# Altium PCB bms_mainboard-1_1.PcbDoc (part 3 of 7) (continued)
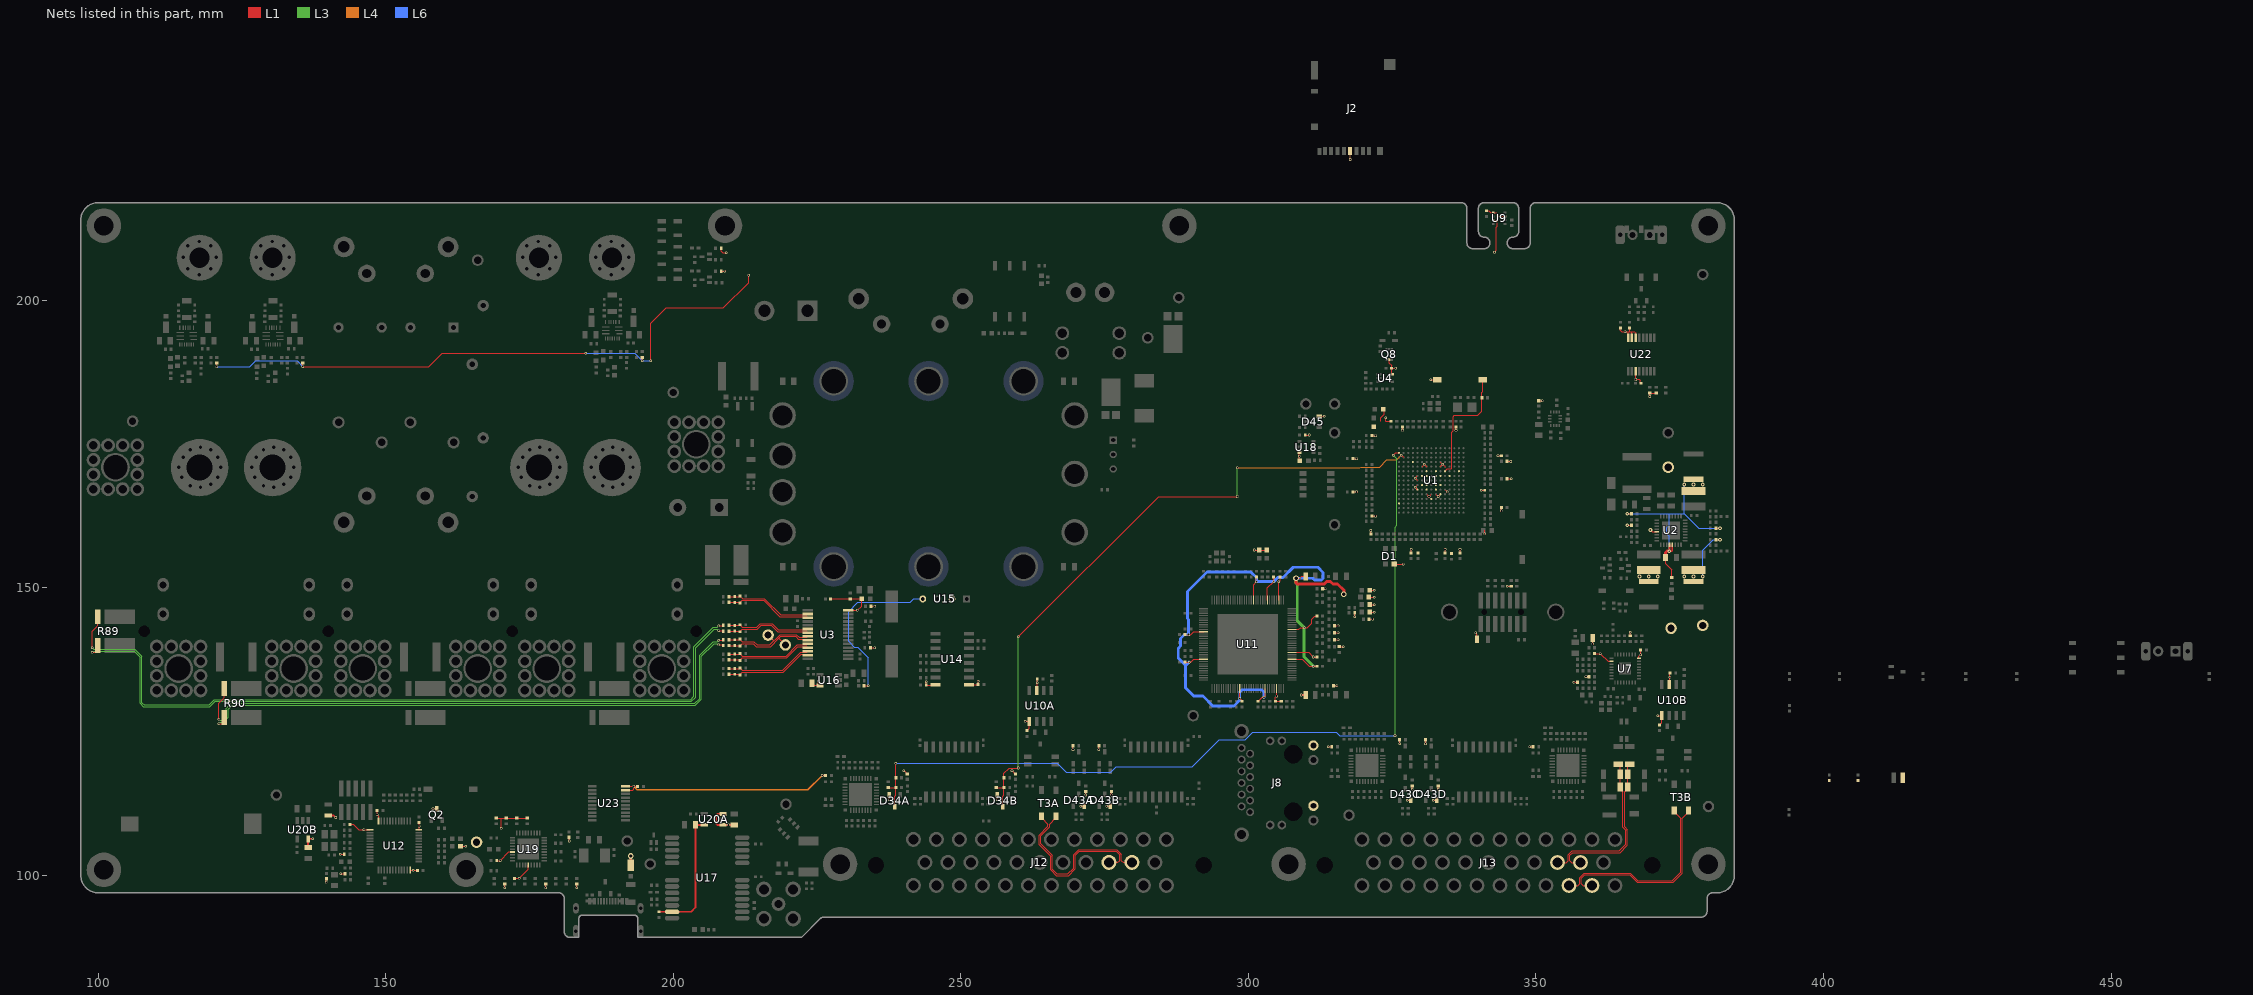
[diagram p7: the nets of this part, all layers, seen from the top]
## Part data (continued)
F2: library part FUSE_EATON_ELV10-15-2P, "15A 200 VDC Fuse Cartridge Through Hole", Manufacturer=Eaton, Supplier Part Number 1=283-ELV10-15-2P-ND, ComponentLink1Description=Datasheet, ComponentLink1URL=https://www.eaton.com/content/dam/eaton/products/electronic-components/resources/data-sheet/eaton-elv10-10x25mm-ev-fuse-data-sheet-elx1302-en.pdf, Manufacturer Part Number=ELV10-15-2P, Supplier 1=Digikey
F3 F5: library part PTC_BELFUSE_0ZRE0200FF1A, "Polymeric PTC Resettable Fuse 240V 2 A Ih Through Hole Radial, Disc", Current=2A, Manufacturer="Bel Fuse Inc.", Supplier Part Number 1=5923-0ZRE0200FF1A-ND, ComponentLink1Description=Datasheet, ComponentLink1URL=https://www.belfuse.com/media/datasheets/products/circuit-protection/ds-cp-0zre-series.pdf, Manufacturer Part Number=0ZRE0200FF1A, Supplier 1=Digikey, Supplier 2=LCSC
FB3 FB4 FB11 FB12A FB12B FB13 FB15 FB16: Current Rating (mA)=500, Manufacturer="Murata Electronics", Package=0402, ComponentLink1Description=Datasheet, ComponentLink1URL=https://wmsc.lcsc.com/wmsc/upload/file/pdf/v2/lcsc/2304140030_Murata-Electronics-BLM15AX601SN1D_C76886.pdf, DCR (mOhms)=340, Manufacturer Part Number=BLM15AX601SN1D, Supplier 2=LCSC, Supplier Part Number 2=C76886, Z @ 100 MHz=600
FB5 FB7 FB9 FB10: Current Rating (mA)=1000, Manufacturer=TAI-TECH, Package=0805, ComponentLink1Description=Datasheet, ComponentLink1URL=https://wmsc.lcsc.com/wmsc/upload/file/pdf/v2/lcsc/2009171138_TAI-TECH-HCB2012KF-102T10_C356985.pdf, DCR (mOhms)=200, Manufacturer Part Number=HCB2012KF-102T10, Supplier 2=LCSC, Supplier Part Number 2=C356985, Z @ 100 MHz=1000
H1: "3D-printed plastic frame used for security tape around STDC14 programming header", Manufacturer=SSCP, Manufacturer Part Number=N/A, Supplier 1=SSCP, Supplier Part Number 1=N/A
H3: library part VICOR_HEATSINK_30183, "Heat Sink, Aluminum", Manufacturer=Vicor, Supplier Part Number 1=1102-1595-ND, ComponentLink1Description=Drawing, ComponentLink1URL=https://asp.vicorpower.com/CADPDF/Q6T45D.PDF, Manufacturer Part Number=30183, Supplier 1=Digikey, Supplier 2=Mouser, Supplier Part Number 2=492-30183
H4 H5 H6 H14 H15 H16: library part STANDOFF_SMTSO-M3-2ET, "Standoff Round Swage F/F M3 X 0.5-THD Carbon Steel Electro-Tin ASTM B545", Manufacturer=PennEngineering, Supplier Part Number 1=153-SMTSO-M3-2ET, Manufacturer Part Number=SMTSO-M3-2ET, Supplier 1=Mouser, Supplier 2=LCSC, Supplier Part Number 2=C18212183
H7 H8 H9 H10 H11 H12 H13: library part PIN_SOCKET_15115-91-0710, "Pin Receptacle Connector 0.078\" ~ 0.096\" (1.98mm ~ 2.44mm) No Tail Solder", Manufacturer=Preci-Dip, Supplier Part Number 1=1212-15115-91-0710-ND, Manufacturer Part Number=15115-91-0710, Supplier 1=Digikey, Supplier 2=LCSC, Supplier Part Number 2=C20239898
HS1 HS2 HS3: library part HEATSINK_OHMITE_WA-T247-101E, "Heat Sink, 11ohm, Extruded, Clip, Longitudinal, Aluminum Alloy, Anodized", Manufacturer=Ohmite, Supplier Part Number 1=WA-T247-101E-ND, ComponentLink1Description=Datasheet, ComponentLink1URL=https://www.ohmite.com/assets/images/sink-w.pdf, Manufacturer Part Number=WA-T247-101E, Supplier 1=Digikey
J1: library part CONN_14POS_50MIL_ST_CORTEX_DEBUG_VCP, "Connector Header Surface Mount 14 position 0.050\" (1.27mm)", Manufacturer=Samtec, Supplier Part Number 1=FTSH-107-01-L-DV-K-A-ND, ComponentLink2Description=Datasheet, ComponentLink2URL=https://mm.digikey.com/Volume0/opasdata/d220001/medias/docus/6209/ftsh-1xx-xx-xxx-dv-xxx-xxx-x-xx-mkt.pdf, Manufacturer Part Number=FTSH-107-01-L-DV-K-A, Supplier 1=Digikey, Supplier 2=LCSC, Supplier Part Number 2=C5563894
J2: library part CONN_HIROSE_DM3BT-DSF-PEJS_MICRO_SD_R/A_PUSH-PUSH_SMD, "CONN MICRO SD R/A PUSH-PUSH SMD", Manufacturer="Hirose Electric Co Ltd", Supplier Part Number 1=HR1942CT-ND, ComponentLink1Description=Datasheet, ComponentLink1URL=http://www.hirose.co.jp/cataloge_hp/e60900232.pdf, Manufacturer Part Number=DM3BT-DSF-PEJS, Supplier 1=Digikey, Supplier 2=LCSC, Supplier Part Number 2=C597972
J3 J4 J5 J6 J18 J19 J20 J21: library part CONN_WURTH_7461086, "POWER ELEMENT BUSH M4 12PIN", Manufacturer="Wurth Electronics", Supplier Part Number 1=732-3207-ND, Manufacturer Part Number=7461086, Supplier 1=Digikey, Thread Size=M4
J7: library part CONN_AMASS_2POS_VERT_XT30UPB-M, "Vertical PCB mount XT30 male", Manufacturer="Changzhou Amass Elec", Supplier Part Number 1=C428721, ComponentLink1Description=Datasheet, ComponentLink1URL=https://www.tme.com/Document/1191bc2fa3aee3c446e5a895fd8f7983/XT60PW-F.pdf, Manufacturer Part Number=XT30UPB-M, Supplier 1=LCSC
J8: library part CONN_BELFUSE_ETHERNET_V8BR-1AX1-GH, "Conn RJ-45 F 8 POS 1.02mm Solder ST Thru-Hole 20 Terminal 1 Port Tray", Manufacturer=Bel, Supplier Part Number 1=5923-V8BR-1AX1-GH-ND, ComponentLink1Description=Drawing, ComponentLink1URL=https://www.belfuse.com/media/drawings/products/magjack%20ICMs/dr-MAG-V8BR-1AX1-GH.pdf, Manufacturer Part Number=V8BR-1AX1-GH, Supplier 1=Digikey, Supplier 2=LCSC, Supplier Part Number 2=C5346729
J9: library part CONN_WURTH_WR-FPC_8POS_1.00mm_686108183822, "CONN FFC VERT 8POS 1MM SMD", Manufacturer="Wurth Elektronik", Supplier Part Number 1=732-6018-1-ND, ComponentLink1Description=Drawing, ComponentLink1URL=https://www.we-online.com/components/products/datasheet/686104148922.pdf, Manufacturer Part Number=686108183822, Supplier 1=Digikey, Supplier 2=Mouser, Supplier Part Number 2=710-686108183822
J11: library part CONN_USBC_TYPE-C-31-M-13, "USB 2.0 12P USB-C connector", Manufacturer="HRO Electronics", Supplier Part Number 1=C223906, Manufacturer Part Number=TYPE-C-31-M-13, Supplier 1=LCSC
J12: library part CONN_AMPSEAL_35POS_RA_1-776163-1, "Conn Power PL 35 POS 4mm Solder RA Thru-Hole 35 Terminal 1 Port, BLACK", Manufacturer="TE Connectivity", Supplier Part Number 1=A106383-ND, ComponentLink1Description="Product page", ComponentLink1URL=https://www.te.com/en/product-1-776163-1.html, ComponentLink2Description=Drawing, ComponentLink2URL=https://www.te.com/commerce/DocumentDelivery/DDEController?Action=showdoc&DocId=Customer+Drawing%7F776163%7FK%7Fpdf%7FEnglish%7FENG_CD_776163_K.pdf%7F1-776163-1, ComponentLink3Description="Application specification", ComponentLink3URL=https://www.te.com/commerce/DocumentDelivery/DDEController?Action=showdoc&DocId=Specification+Or+Standard%7F114-16016%7FR1%7Fpdf%7FEnglish%7FENG_SS_114-16016_R1.pdf%7F1-776163-1, ComponentLink4Description="Series catalog", ComponentLink4URL=https://www.te.com/commerce/DocumentDelivery/DDEController?Action=showdoc&DocId=Data+Sheet%7F1-1773979-2%7FA%7Fpdf%7FEnglish%7FENG_DS_1-1773979-2_A.pdf%7F1-776280-1, ComponentLink5Description="Product specification", ComponentLink5URL=https://www.te.com/commerce/DocumentDelivery/DDEController?Action=showdoc&DocId=Specification+Or+Standard%7F108-1329%7FE1%7Fpdf%7FEnglish%7FENG_SS_108-1329_E1.pdf%7F1-776163-1, Manufacturer Part Number=1-776163-1, Supplier 1=Digikey, Supplier 2=LCSC, Supplier Part Number 2=C596198
J13: library part CONN_AMPSEAL_35POS_RA_1-776163-5, "Conn Power PL 35 POS 4mm Solder RA Thru-Hole 35 Terminal 1 Port, BLUE", Manufacturer="TE Connectivity", Supplier Part Number 1=1-776163-5-ND, ComponentLink1Description="Product page", ComponentLink1URL=https://www.te.com/en/product-1-776163-5.html, ComponentLink2Description=Drawing, ComponentLink2URL=https://www.te.com/commerce/DocumentDelivery/DDEController?Action=showdoc&DocId=Customer+Drawing%7F776163%7FK%7Fpdf%7FEnglish%7FENG_CD_776163_K.pdf%7F1-776163-5, ComponentLink3Description="Application specification", ComponentLink3URL=https://www.te.com/commerce/DocumentDelivery/DDEController?Action=showdoc&DocId=Specification+Or+Standard%7F114-16016%7FR1%7Fpdf%7FEnglish%7FENG_SS_114-16016_R1.pdf%7F1-776163-5, ComponentLink4Description="Series catalog", ComponentLink4URL=https://www.te.com/commerce/DocumentDelivery/DDEController?Action=showdoc&DocId=Data+Sheet%7F1-1773979-2%7FA%7Fpdf%7FEnglish%7FENG_DS_1-1773979-2_A.pdf%7F1-776163-5, ComponentLink5Description="Product specification", ComponentLink5URL=https://www.te.com/commerce/DocumentDelivery/DDEController?Action=showdoc&DocId=Specification+Or+Standard%7F108-1329%7FE1%7Fpdf%7FEnglish%7FENG_SS_108-1329_E1.pdf%7F1-776163-5, Manufacturer Part Number=1-776163-5, Supplier 1=Digikey, Supplier 2=LCSC, Supplier Part Number 2=C17378321
J14: library part CONN_GCT_SMA_RA_RFPC-SMA14-FN-A, "SMA Connector Jack, Female Socket Panel Mount, Through Hole, Right Angle Solder, IP68 unmated", Manufacturer="GCT (Gradconn)", Supplier Part Number 1=2072-RFPC-SMA14-FN-A-ND, ComponentLink1Description=Datasheet, ComponentLink1URL=https://www.gradconn.com/Files/Drawings/RFPC-SMA14-FN.pdf, Manufacturer Part Number=RFPC-SMA14-FN-A, Supplier 1=Digikey, Supplier 2=LCSC, Supplier Part Number 2=C3173272
J15A J15B: library part CONN_MOLEX_MICROFIT_2POS_VERT_43650-0219, "Conn Wire to Board HDR 4 POS 3mm Solder RA Thru-Hole 4 Terminal 1 Port Micro-Fit 3.0", Manufacturer=Molex, Supplier Part Number 1=WM14583-ND, ComponentLink1Description=Drawing, ComponentLink1URL=https://www.molex.com/content/dam/molex/molex-dot-com/products/automated/en-us/salesdrawingpdf/436/43650/436500219_sd.pdf, ComponentLink2Description="Product page", ComponentLink2URL=https://www.molex.com/en-us/products/part-detail/436500219, Manufacturer Part Number=43650-0219, Supplier 1=Digikey, Supplier 2=LCSC, Supplier Part Number 2=C19170957
J16: library part CONN_SWD_CORTEX_DEBUG, "CONN HEADER 10 POS DUAL .05\" SMD", Manufacturer="Samtec Inc", Supplier Part Number 1=FTSH-105-01-L-DV-K-ND, ComponentLink1Description=Datasheet, ComponentLink1URL=http://www.samtec.com/documents/webfiles/cpdf/FTSH-1XX-XX-XXX-DV-XXX-MKT.pdf, Manufacturer Part Number=FTSH-105-01-L-DV-K, Supplier 1=Digikey, Supplier 2=LCSC, Supplier Part Number 2=C448647
K1 K3: library part RELAY_P126BDA, "RELAY GEN PURPOSE SPST 60A 12V", Manufacturer=Sensata, Supplier Part Number 1=3596-P126BDA-ND, ComponentLink1Description=Datasheet, ComponentLink1URL=https://www.sensata.com/sites/default/files/a/sensata-gigavac-p126-series-minitactor-contactors-datasheet.pdf, Manufacturer Part Number=P126BDA, Supplier 1=Digikey, Supplier 2=Mouser, Supplier Part Number 2=682-P126BDA
K2: library part RELAY_FTR-J2AK006W, "General Purpose Relay 450VDC/10A", Manufacturer=Fujitsu, ComponentLink1Description=Datasheet, ComponentLink1URL=https://www.fcl-components.com/downloads/MICRO/fcai/relays/ftr-j2.pdf, Manufacturer Part Number=FTR-J2AK006W, Supplier 1=Verical, Supplier 2=Mouser, Supplier Part Number 1=FTR-J2AK006W, Supplier Part Number 2=817-FTR-J2AK006W
K4: library part SSR_250V_LCB127STR, "Relay Ssr 50MA 1.4V Dc-in 0.2A 250V Ac/dc-out 6-PIN PDIP SMD T/r", Manufacturer=IXYS, Supplier Part Number 1=212-LCB127STRCT-ND, ComponentLink1Description=Datasheet, ComponentLink1URL=https://www.littelfuse.com/assetdocs/littelfuse-integrated-circuits-lcb127-datasheet?assetguid=ed9c03ce-9d8a-4952-b2f0-cdedc4b0af1f, Manufacturer Part Number=LCB127STR, Supplier 1=Digikey, Supplier 2=LCSC, Supplier Part Number 2=C6286119
K5: library part SSR_350V_CPC1150NTR, "CPC1150N Series SPST 120 mA 350 V Single Channel Solid State Relay SMT - SOIC-4", Manufacturer=Littelfuse, Supplier Part Number 1=5656-CPC1150NTRCT-ND, ComponentLink1Description=Datasheet, ComponentLink1URL=https://www.littelfuse.com/media?resourcetype=datasheets&itemid=7f3e9a05-5c4a-493e-bfe5-2075df32c7f9&filename=littelfuse-integrated-circuits-cpc1150n-series-datasheet, Manufacturer Part Number=CPC1150NTR, Supplier 1=Digikey, Supplier 2=LCSC, Supplier Part Number 2=C5299824
L1 L2 L3: library part IND_4.7UH_FTC404020S4R7MGCA, "5A 4.7uH 6.3A 58mΩ ±20% SMD,4.1x4.1mm Fixed Inductors RoHS", Current=5A, Manufacturer=cjiang, ComponentLink1Description=Datasheet, ComponentLink1URL=https://www.lcsc.com/datasheet/C39676072.pdf, Manufacturer Part Number=FTC404020S4R7MGCA, Supplier 2=LCSC, Supplier Part Number 2=C39676072
L4: library part IND_0.068UH_LQW18AN68NJ80D, "General Purpose Inductor, 0.068uH, 5%, 1 Element, Wirewound-Core, 1608/0603, 2.38GHz self resonant frequency", Current=630mA, Manufacturer=Murata, Supplier Part Number 1=LQW18AN68NJ80D-ND, Manufacturer Part Number=LQW18AN68NJ80D, Supplier 1=Digikey, Supplier 2=LCSC, Supplier Part Number 2=C269832
L5: Current Rating (mA)=1800, Inductance (uH)=2.2, Manufacturer="Murata Electronics", Manufacturer Part Number=DFE201612E-2R2M=P2, Supplier Part Number 1=490-DFE201612E-2R2M=P2CT-ND, ComponentLink1Description=Datasheet, ComponentLink1URL=https://pim.murata.com/asset/pim4/inductor/J(E)TE243A-0006_PDF_INDUCTOR, DCR (mOhms)=116, Supplier 1=Digikey, Supplier 2=LCSC, Supplier Part Number 2=C337893
Q1: library part PNP_40V_MMBT3906T, "Bipolar (BJT) Transistor NPN 40 V 200 mA 300MHz 150 mW Surface Mount SOT-523", Current="200 mA", Manufacturer="Shenzhen Slkormicro Semicon Co., Ltd.", Supplier Part Number 1=5399-MMBT3906TCT-ND, Voltage="40 V", ComponentLink1Description=Datasheet, ComponentLink1URL=https://mm.digikey.com/Volume0/opasdata/d220001/medias/docus/7136/5399_MMBT3906T%20SOT-523.pdf, Manufacturer Part Number=MMBT3906T, Supplier 1=Digikey, Supplier 2=LCSC, Supplier Part Number 2=C61615
Q2 Q11A Q11B Q11C Q11D: library part NPN_25V_S9013, "Bipolar (BJT) Transistor NPN 25 V 500 mA 150MHz 300 mW Surface Mount SOT-23", Current=500mA, Manufacturer="Shenzhen Slkormicro Semicon Co., Ltd.", Supplier Part Number 1=5399-S9013CT-ND, Voltage=25V, ComponentLink1Description=Datasheet, ComponentLink1URL=https://www.onsemi.com/pdf/datasheet/nss1c201mz4-d.pdf, Manufacturer Part Number=S9013, Supplier 1=Digikey, Supplier 2=LCSC, Supplier Part Number 2=C431712
Q3 Q4 Q5 Q7: library part NPN_40V_MMBT3904T, "Bipolar (BJT) Transistor NPN 40 V 200 mA 300MHz 150 mW Surface Mount SOT-523", Current="200 mA", Manufacturer="Shenzhen Slkormicro Semicon Co., Ltd.", Supplier Part Number 1=5399-MMBT3904TCT-ND, Voltage="40 V", ComponentLink1Description=Datasheet, ComponentLink1URL=https://mm.digikey.com/Volume0/opasdata/d220001/medias/docus/7136/5399_MMBT3904T%20SOT-523.pdf, Manufacturer Part Number=MMBT3904T, Supplier 1=Digikey, Supplier 2=LCSC, Supplier Part Number 2=C61616
Q6: library part PFET_20V_FDC638P, "MOSFET P-CH 20V 4.5A SSOT-6", Manufacturer=onsemi, Supplier Part Number 1=FDC638PCT-ND, ComponentLink1Description=Datasheet, ComponentLink1URL=https://www.onsemi.com/pdf/datasheet/fdc638p-d.pdf, Manufacturer Part Number=FDC638P, Supplier 1=Digikey, Supplier 2=LCSC, Supplier Part Number 2=C241772
Q8: library part NFET_PFET_60V_SI1029X-T1-GE3, "Small Signal Field-Effect Transistor, 0.305A I(D), 60V, 2-Element, N-Channel and P-Channel, Silicon, Metal-oxide Semiconductor FET", Current="500 mA", Manufacturer="Vishay Siliconix", Supplier Part Number 1=SI1029X-T1-GE3CT-ND, Voltage="60 V", ComponentLink1Description=Datasheet, ComponentLink1URL=https://www.vishay.com/docs/71435/si1029x.pdf, Manufacturer Part Number=SI1029X-T1-GE3, Supplier 1=Digikey, Supplier 2=LCSC, Supplier Part Number 2=C144890
R1 R2 R3 R4 R5 R6 R7 R8 R9 R11 R12 R15 R16 R17 R18 R19 R21 R22 R23 R25 R26 R27 R28 R29 R30 R31 R32 R33 R34 R35 R36 R37 R38 R39 R40 R41 R42 R43 R44 R45 R46 R47 R48 R49 R50 R51 R52 R53 R54 R55 R56 R57 R58 R59 R60 R61 R63 R64 R65 R66 R67 R68 R69 R70 R72 R73 R74 R75 R76 R77 R81 R86 R87 R91A R91B R91C R92A R92B R92C R93 R94 R95 R96 R97 R98 R99 R100 R101 R102 R103 R104A R104B R104C R104D R104E R105 R106 R107A R107B R107C R107D R107E R108 R109 R110 R111 R113 R114 R115 R116 R117 R118 R119 R120 R121 R122 R123 R124 R125 R126 R127 R128 R130 R131 R132 R133 R134 R136A R136B R136C R137A R137B R137C R138A R138B R138C R140A R140B R140C R141A R141B R141C R143A R143B R143C R144A R144B R144C R146 R147 R148 R149 R150 R151 R152 R153 R154 R155 R156 R157 R158 R159 R161A R161B R164 R165 R168 R169 R170 R171 R172 R173 R174 R175 R176 R177 R178 R179 R180 R181 R182 R183 R184 R185 R186 R187 R188 R189 R190 R191 R192 R193 R194 R195 R196 R197 R198 R200 R201 R203 R204 R206 R207 R208 R209 R210 R211 R212 R213 R214 R215 R216 R217A R217B R218A R218B R219A R219B R219C R220A R220B R220C R221A R221B R221C R222A R222B R222C R223A R223B R223C R224A R224B R224C R225A R225B R225C R226A R226B R226C R227A R227B R227C R228 R229 R230 R231 R232 R233 R239 R242 R243 R244 R246 R247 R248 R250 R251 R252 R253 R254 R255 R256 R257 R258 R259 R260 R261 R262 R263 R264A R264B R264C R264D R265A R265B R265C R265D R266A R266B R266C R266D R268 R269 R270 R271 R273 R274 R275 R276 R277 R278 R279 R280 R282 R283 R284 R285 R286 R287 R288 R289 R290 R291A R291B R292A R292B R293A R293B R294: Manufacturer="UNI-ROYAL(Uniroyal Elec)", Package=0402, Power Rating (mW)=62.5, Temperature Coefficient=Â±100ppm/â„ƒ, Tolerance=1%, ComponentLink1Description=Datasheet, Supplier 2=LCSC
  R1 R2 R3 R4 R5 R6 R7 R9 R11 R15 R16 R17 R18 R19 R21 R22 R23 R25 R26 R27 R28 R29 R31 R32 R33 R34 R35 R36 R37 R38 R40 R41 R43 R44 R45 R46 R47 R48 R49 R50 R51 R53 R56 R74 R95 R99 R103 R120 R121 R123 R125 R131 R134 R149 R150 R151 R152 R153 R157 R158 R159 R161A R161B R172 R173 R174 R175 R178 R179 R190 R191 R192 R196 R197 R206 R207 R208 R210 R212 R213 R214 R228 R229 R230 R231 R232 R233 R243 R244 R247 R258 R259 R260 R261 R262 R263 R280 R282 R283 R284 R285 R286 R287 R290 R294: ComponentLink1URL=https://wmsc.lcsc.com/wmsc/upload/file/pdf/v2/lcsc/2205311900_UNI-ROYAL-Uniroyal-Elec-0402WGF330JTCE_C25105.pdf, Manufacturer Part Number=0402WGF330JTCE, Supplier Part Number 2=C25105
  R8 R12 R42 R55 R105 R154 R181 R182 R186 R195 R219A R219B R219C R227A R227B R227C R251 R254 R275: ComponentLink1URL=https://wmsc.lcsc.com/wmsc/upload/file/pdf/v2/lcsc/2205311900_UNI-ROYAL-Uniroyal-Elec-0402WGF3300TCE_C25104.pdf, Manufacturer Part Number=0402WGF3300TCE, Supplier Part Number 2=C25104
  R30 R57 R58 R65 R66 R67 R68 R73 R75 R76 R81 R86 R93 R94 R101 R114 R115 R116 R117 R136A R136B R136C R137A R137B R137C R140A R140B R140C R144A R144B R144C R146 R147 R148 R177 R183 R184 R185 R187 R188 R201 R209 R215 R216 R239 R246 R250 R255 R256 R257 R264A R264B R264C R264D R265A R265B R265C R265D R269 R270 R271 R273 R274 R276 R277 R278 R288 R289: ComponentLink1URL=https://wmsc.lcsc.com/wmsc/upload/file/pdf/v2/lcsc/2206010100_UNI-ROYAL-Uniroyal-Elec-0402WGF1002TCE_C25744.pdf, Manufacturer Part Number=0402WGF1002TCE, Supplier Part Number 2=C25744
  R39 R59 R61 R63 R72 R96 R98 R104A R104B R104C R104D R104E R107A R107B R107C R107D R107E R108 R111 R128 R132 R143A R143B R143C R155 R156 R164 R165 R168 R169 R170 R171 R198 R200 R211 R223A R223B R223C R224A R224B R224C R225A R225B R225C R226A R226B R226C R248 R253 R266A R266B R266C R266D R292A R292B: ComponentLink1URL=https://wmsc.lcsc.com/wmsc/upload/file/pdf/v2/lcsc/2206010216_UNI-ROYAL-Uniroyal-Elec-0402WGF1001TCE_C11702.pdf, Manufacturer Part Number=0402WGF1001TCE, Supplier Part Number 2=C11702
  R52 R54 R97 R204: ComponentLink1URL=https://wmsc.lcsc.com/wmsc/upload/file/pdf/v2/lcsc/2206010045_UNI-ROYAL-Uniroyal-Elec-0402WGF1501TCE_C25867.pdf, Manufacturer Part Number=0402WGF1501TCE, Supplier Part Number 2=C25867
  R60: ComponentLink1URL=https://wmsc.lcsc.com/wmsc/upload/file/pdf/v2/lcsc/2206010030_UNI-ROYAL-Uniroyal-Elec-0402WGF7322TCE_C26986.pdf, Manufacturer Part Number=0402WGF7322TCE, Supplier Part Number 2=C26986
  R64: ComponentLink1URL=https://wmsc.lcsc.com/wmsc/upload/file/pdf/v2/lcsc/2206010045_UNI-ROYAL-Uniroyal-Elec-0402WGF8872TCE_C25922.pdf, Manufacturer Part Number=0402WGF8872TCE, Supplier Part Number 2=C25922
  R69 R100 R141A R141B R141C R268: ComponentLink1URL=https://wmsc.lcsc.com/wmsc/upload/file/pdf/v2/lcsc/2206010100_UNI-ROYAL-Uniroyal-Elec-0402WGF1003TCE_C25741.pdf, Manufacturer Part Number=0402WGF1003TCE, Supplier Part Number 2=C25741
  R70 R203: ComponentLink1URL=https://wmsc.lcsc.com/wmsc/upload/file/pdf/v2/lcsc/2206010100_UNI-ROYAL-Uniroyal-Elec-0402WGF3302TCE_C25779.pdf, Manufacturer Part Number=0402WGF3302TCE, Supplier Part Number 2=C25779
  R77: ComponentLink1URL=https://wmsc.lcsc.com/wmsc/upload/file/pdf/v2/lcsc/2206010030_UNI-ROYAL-Uniroyal-Elec-0402WGF1004TCE_C26083.pdf, Manufacturer Part Number=0402WGF1004TCE, Supplier Part Number 2=C26083
  R87: ComponentLink1URL=https://wmsc.lcsc.com/wmsc/upload/file/pdf/v2/lcsc/2205312316_UNI-ROYAL-Uniroyal-Elec-0402WGF9531TCE_C96273.pdf, Manufacturer Part Number=0402WGF9531TCE, Supplier Part Number 2=C96273
  R91A R91B R91C R92A R92B R92C: ComponentLink1URL=https://wmsc.lcsc.com/wmsc/upload/file/pdf/v2/lcsc/2205311900_UNI-ROYAL-Uniroyal-Elec-0402WGF750JTCE_C25133.pdf, Manufacturer Part Number=0402WGF750JTCE, Supplier Part Number 2=C25133
  R102: ComponentLink1URL=https://wmsc.lcsc.com/wmsc/upload/file/pdf/v2/lcsc/2206010030_UNI-ROYAL-Uniroyal-Elec-0402WGF5763TCE_C27012.pdf, Manufacturer Part Number=0402WGF5763TCE, Supplier Part Number 2=C27012
  R106: ComponentLink1URL=https://wmsc.lcsc.com/wmsc/upload/file/pdf/v2/lcsc/2206010100_UNI-ROYAL-Uniroyal-Elec-0402WGF1073TCE_C25743.pdf, Manufacturer Part Number=0402WGF1073TCE, Supplier Part Number 2=C25743
  R109: ComponentLink1URL=https://wmsc.lcsc.com/wmsc/upload/file/pdf/v2/lcsc/2206010000_UNI-ROYAL-Uniroyal-Elec-0402WGF4021TCE_C43251.pdf, Manufacturer Part Number=0402WGF4021TCE, Supplier Part Number 2=C43251
  R110: ComponentLink1URL=https://wmsc.lcsc.com/wmsc/upload/file/pdf/v2/lcsc/2206010100_UNI-ROYAL-Uniroyal-Elec-0402WGF1502TCE_C25756.pdf, Manufacturer Part Number=0402WGF1502TCE, Supplier Part Number 2=C25756
  R113: ComponentLink1URL=https://wmsc.lcsc.com/wmsc/upload/file/pdf/v2/lcsc/2206010100_UNI-ROYAL-Uniroyal-Elec-0402WGF4702TCE_C25792.pdf, Manufacturer Part Number=0402WGF4702TCE, Supplier Part Number 2=C25792
  R118 R119 R138A R138B R138C R193 R194 R220A R220B R220C R221A R221B R221C R222A R222B R222C: ComponentLink1URL=https://wmsc.lcsc.com/wmsc/upload/file/pdf/v2/lcsc/2206010045_UNI-ROYAL-Uniroyal-Elec-0402WGF4701TCE_C25900.pdf, Manufacturer Part Number=0402WGF4701TCE, Supplier Part Number 2=C25900
  R122 R124 R130 R133 R176 R180 R252: ComponentLink1URL=https://wmsc.lcsc.com/wmsc/upload/file/pdf/v2/lcsc/2206010045_UNI-ROYAL-Uniroyal-Elec-0402WGF2201TCE_C25879.pdf, Manufacturer Part Number=0402WGF2201TCE, Supplier Part Number 2=C25879
  R126 R127 R217A R217B R218A R218B: ComponentLink1URL=https://wmsc.lcsc.com/wmsc/upload/file/pdf/v2/lcsc/2206010045_UNI-ROYAL-Uniroyal-Elec-0402WGF5101TCE_C25905.pdf, Manufacturer Part Number=0402WGF5101TCE, Supplier Part Number 2=C25905
  R189: ComponentLink1URL=https://wmsc.lcsc.com/wmsc/upload/file/pdf/v2/lcsc/2206010045_UNI-ROYAL-Uniroyal-Elec-0402WGF6041TCE_C25913.pdf, Manufacturer Part Number=0402WGF6041TCE, Supplier Part Number 2=C25913
  R242: ComponentLink1URL=https://wmsc.lcsc.com/wmsc/upload/file/pdf/v2/lcsc/2206010216_UNI-ROYAL-Uniroyal-Elec-0402WGF1242TCE_C11692.pdf, Manufacturer Part Number=0402WGF1242TCE, Supplier Part Number 2=C11692
  R279: ComponentLink1URL=https://wmsc.lcsc.com/wmsc/upload/file/pdf/v2/lcsc/2411221127_UNI-ROYAL-Uniroyal-Elec-0402WGF1202TCE_C25752.pdf, Manufacturer Part Number=0402WGF1202TCE, Supplier Part Number 2=C25752
  R291A R291B R293A R293B: ComponentLink1URL=https://wmsc.lcsc.com/wmsc/upload/file/pdf/v2/lcsc/2205311900_UNI-ROYAL-Uniroyal-Elec-0402WGF499JTCE_C25120.pdf, Manufacturer Part Number=0402WGF499JTCE, Supplier Part Number 2=C25120
R10 R71 R135A R135B R135C R139A R139B R139C R162A R162B R163A R163B: Manufacturer=FOJAN, Package=0402, Power Rating (mW)=62.5, Temperature Coefficient=Â±100ppm/â„ƒ, Tolerance=1%, ComponentLink1Description=Datasheet, Supplier 2=LCSC
  R10: ComponentLink1URL=https://datasheet.lcsc.com/lcsc/2308241947_FOJAN-FRC0402F2670TS_C2998075.pdf, Manufacturer Part Number=FRC0402F2670TS, Supplier Part Number 2=C2998075
  R71: ComponentLink1URL=https://datasheet.lcsc.com/lcsc/2308241947_FOJAN-FRC0402F4532TS_C2933099.pdf, Manufacturer Part Number=FRC0402F4532TS, Supplier Part Number 2=C2933099
  R135A R135B R135C R139A R139B R139C: ComponentLink1URL=https://datasheet.lcsc.com/lcsc/2308241947_FOJAN-FRC0402F10R0TS_C2906862.pdf, Manufacturer Part Number=FRC0402F10R0TS, Supplier Part Number 2=C2906862
  R162A R162B R163A R163B: ComponentLink1URL=https://datasheet.lcsc.com/lcsc/2308241947_FOJAN-FRC0402F60R4TS_C2960873.pdf, Manufacturer Part Number=FRC0402F60R4TS, Supplier Part Number 2=C2960873
R13: Manufacturer=RALEC, Package=0402, Power Rating (mW)=62.5, Temperature Coefficient=Â±100ppm/â„ƒ, Tolerance=1%, ComponentLink1Description=Datasheet, ComponentLink1URL=https://wmsc.lcsc.com/wmsc/upload/file/pdf/v2/lcsc/2304140030_RALEC-RTT029760FTH_C11710.pdf, Manufacturer Part Number=RTT029760FTH, Supplier 2=LCSC, Supplier Part Number 2=C11710
R14: Manufacturer=PANASONIC, Package=0402, Power Rating (mW)=100, Temperature Coefficient=Â±100ppm/â„ƒ, Tolerance=1%, ComponentLink1Description=Datasheet, ComponentLink1URL=https://wmsc.lcsc.com/wmsc/upload/file/pdf/v2/lcsc/1912111437_PANASONIC-ERJ2RKF1870X_C416489.pdf, Manufacturer Part Number=ERJ2RKF1870X, Supplier 2=LCSC, Supplier Part Number 2=C416489
R20 R205: Manufacturer=PANASONIC, Package=0805, Power Rating (mW)=500, Temperature Coefficient=Â±100ppm/â„ƒ, Tolerance=1%, ComponentLink1Description=Datasheet, ComponentLink1URL=https://wmsc.lcsc.com/wmsc/upload/file/pdf/v2/lcsc/2404150944_PANASONIC-ERJP06F1000V_C441975.pdf, Manufacturer Part Number=ERJP06F1000V, Supplier 2=LCSC, Supplier Part Number 2=C441975
R62: Manufacturer="UNI-ROYAL(Uniroyal Elec)", Package=0805, Power Rating (mW)=333.3, Temperature Coefficient=Â±100ppm/â„ƒ, Tolerance=1%, ComponentLink1Description=Datasheet, ComponentLink1URL=https://datasheet.lcsc.com/lcsc/2304140030_UNI-ROYAL-Uniroyal-Elec-HP05W3F220KT5E_C2759317.pdf, Manufacturer Part Number=HP05W3F220KT5E, Supplier 2=LCSC, Supplier Part Number 2=C2759317
R78 R79 R166 R167 R199 R234 R241 R267 R272 R281: Manufacturer="Vishay Intertech", Package=0402, Power Rating (mW)=63, Temperature Coefficient=Â±100ppm/â„ƒ, Tolerance=1%, ComponentLink1Description=Datasheet, Supplier 2=LCSC
  R78 R79 R166 R167 R199 R234 R241 R272 R281: ComponentLink1URL=https://wmsc.lcsc.com/wmsc/upload/file/pdf/v2/lcsc/2211030200_Vishay-Intertech-CRCW04021R00FKED_C482087.pdf, Manufacturer Part Number=CRCW04021R00FKED, Supplier Part Number 2=C482087
  R267: ComponentLink1URL=https://wmsc.lcsc.com/wmsc/upload/file/pdf/v2/lcsc/2206081730_Vishay-Intertech-CRCW040249K9FKEDC_C3008853.pdf, Manufacturer Part Number=CRCW040249K9FKEDC, Supplier Part Number 2=C3008853
R80 R83 R89: library part RES_CURRENT_SENSE_0.0005_OHM_1%_3W_2726_WSL2726L5000FEB, "RES SMD 0.0005 OHM 1% 3W 2726", Manufacturer="Vishay Dale", Resistance (Ohms)=0.0005, Supplier Part Number 1=WSLQ-.0005CT-ND, ComponentLink1Description=Datasheet, ComponentLink1URL=http://www.vishay.com/docs/30131/wsl2726.pdf, Manufacturer Part Number=WSL2726L5000FEB, Supplier 1=Digikey, Supplier 2=LCSC, Supplier Part Number 2=C4132421
R82: library part RES_7.5_OHM_100W_1%_TO247, "RES TK FM 7.5 OHM 100W 1% TO247", Manufacturer=Ohmite, Power (Watts)=100W, Resistance (Ohms)=7.5, Supplier Part Number 1=TEH100M7R50FE-ND, ComponentLink1Description=Datasheet, ComponentLink1URL=http://www.ohmite.com/cat/res_teh100.pdf, Manufacturer Part Number=TEH100M7R50FE, Supplier 1=Digikey, Supplier 2=LCSC, Supplier Part Number 2=C2641795
R84: "RES TK FM 7.5 OHM 100W 1% TO247", Manufacturer=Ohmite, Manufacturer Part Number=TEH100M7R50FE, Power (Watts)=100W, Resistance (Ohms)=7.5, Supplier Part Number 1=TEH100M7R50FE-ND, ComponentLink1Description=Datasheet, ComponentLink1URL=http://www.ohmite.com/cat/res_teh100.pdf, Supplier 1=Digikey, Supplier 2=LCSC, Supplier Part Number 2=C2641795
R85: Manufacturer=YAGEO, Package=1206, Power Rating (mW)=250, Temperature Coefficient=Â±100ppm/â„ƒ, Tolerance=1%, ComponentLink1Description=Datasheet, ComponentLink1URL=https://wmsc.lcsc.com/wmsc/upload/file/pdf/v2/lcsc/2304140030_YAGEO-RC1206FR-072M2L_C137329.pdf, Manufacturer Part Number=RC1206FR-072M2L, Supplier 2=LCSC, Supplier Part Number 2=C137329
R88 R142A R142B R142C: Manufacturer="UNI-ROYAL(Uniroyal Elec)", Package=0402, Power Rating (mW)=62.5, ComponentLink1Description=Datasheet, ComponentLink1URL=https://wmsc.lcsc.com/wmsc/upload/file/pdf/v2/lcsc/2206010216_UNI-ROYAL-Uniroyal-Elec-0402WGF0000TCE_C17168.pdf, Manufacturer Part Number=0402WGF0000TCE, Supplier 2=LCSC, Supplier Part Number 2=C17168
R90 R160: library part RES_CURRENT_SENSE_0.005_OHM_1%_3W_2726_WSL27265L000FEB, "RES SMD 0.005 OHM 1% 3W 2726", Manufacturer="Vishay Dale", Resistance (Ohms)=0.005, Supplier Part Number 1=WSLQ-.005CT-ND, ComponentLink1Description=Datasheet, ComponentLink1URL=http://www.vishay.com/docs/30131/wsl2726.pdf, Manufacturer Part Number=WSL27265L000FEB, Supplier 1=Digikey, Supplier 2=LCSC, Supplier Part Number 2=C1517421